# Allegro board zp-dic_pda_8ch_board_v001_166_20241018_1809.brd (continued)
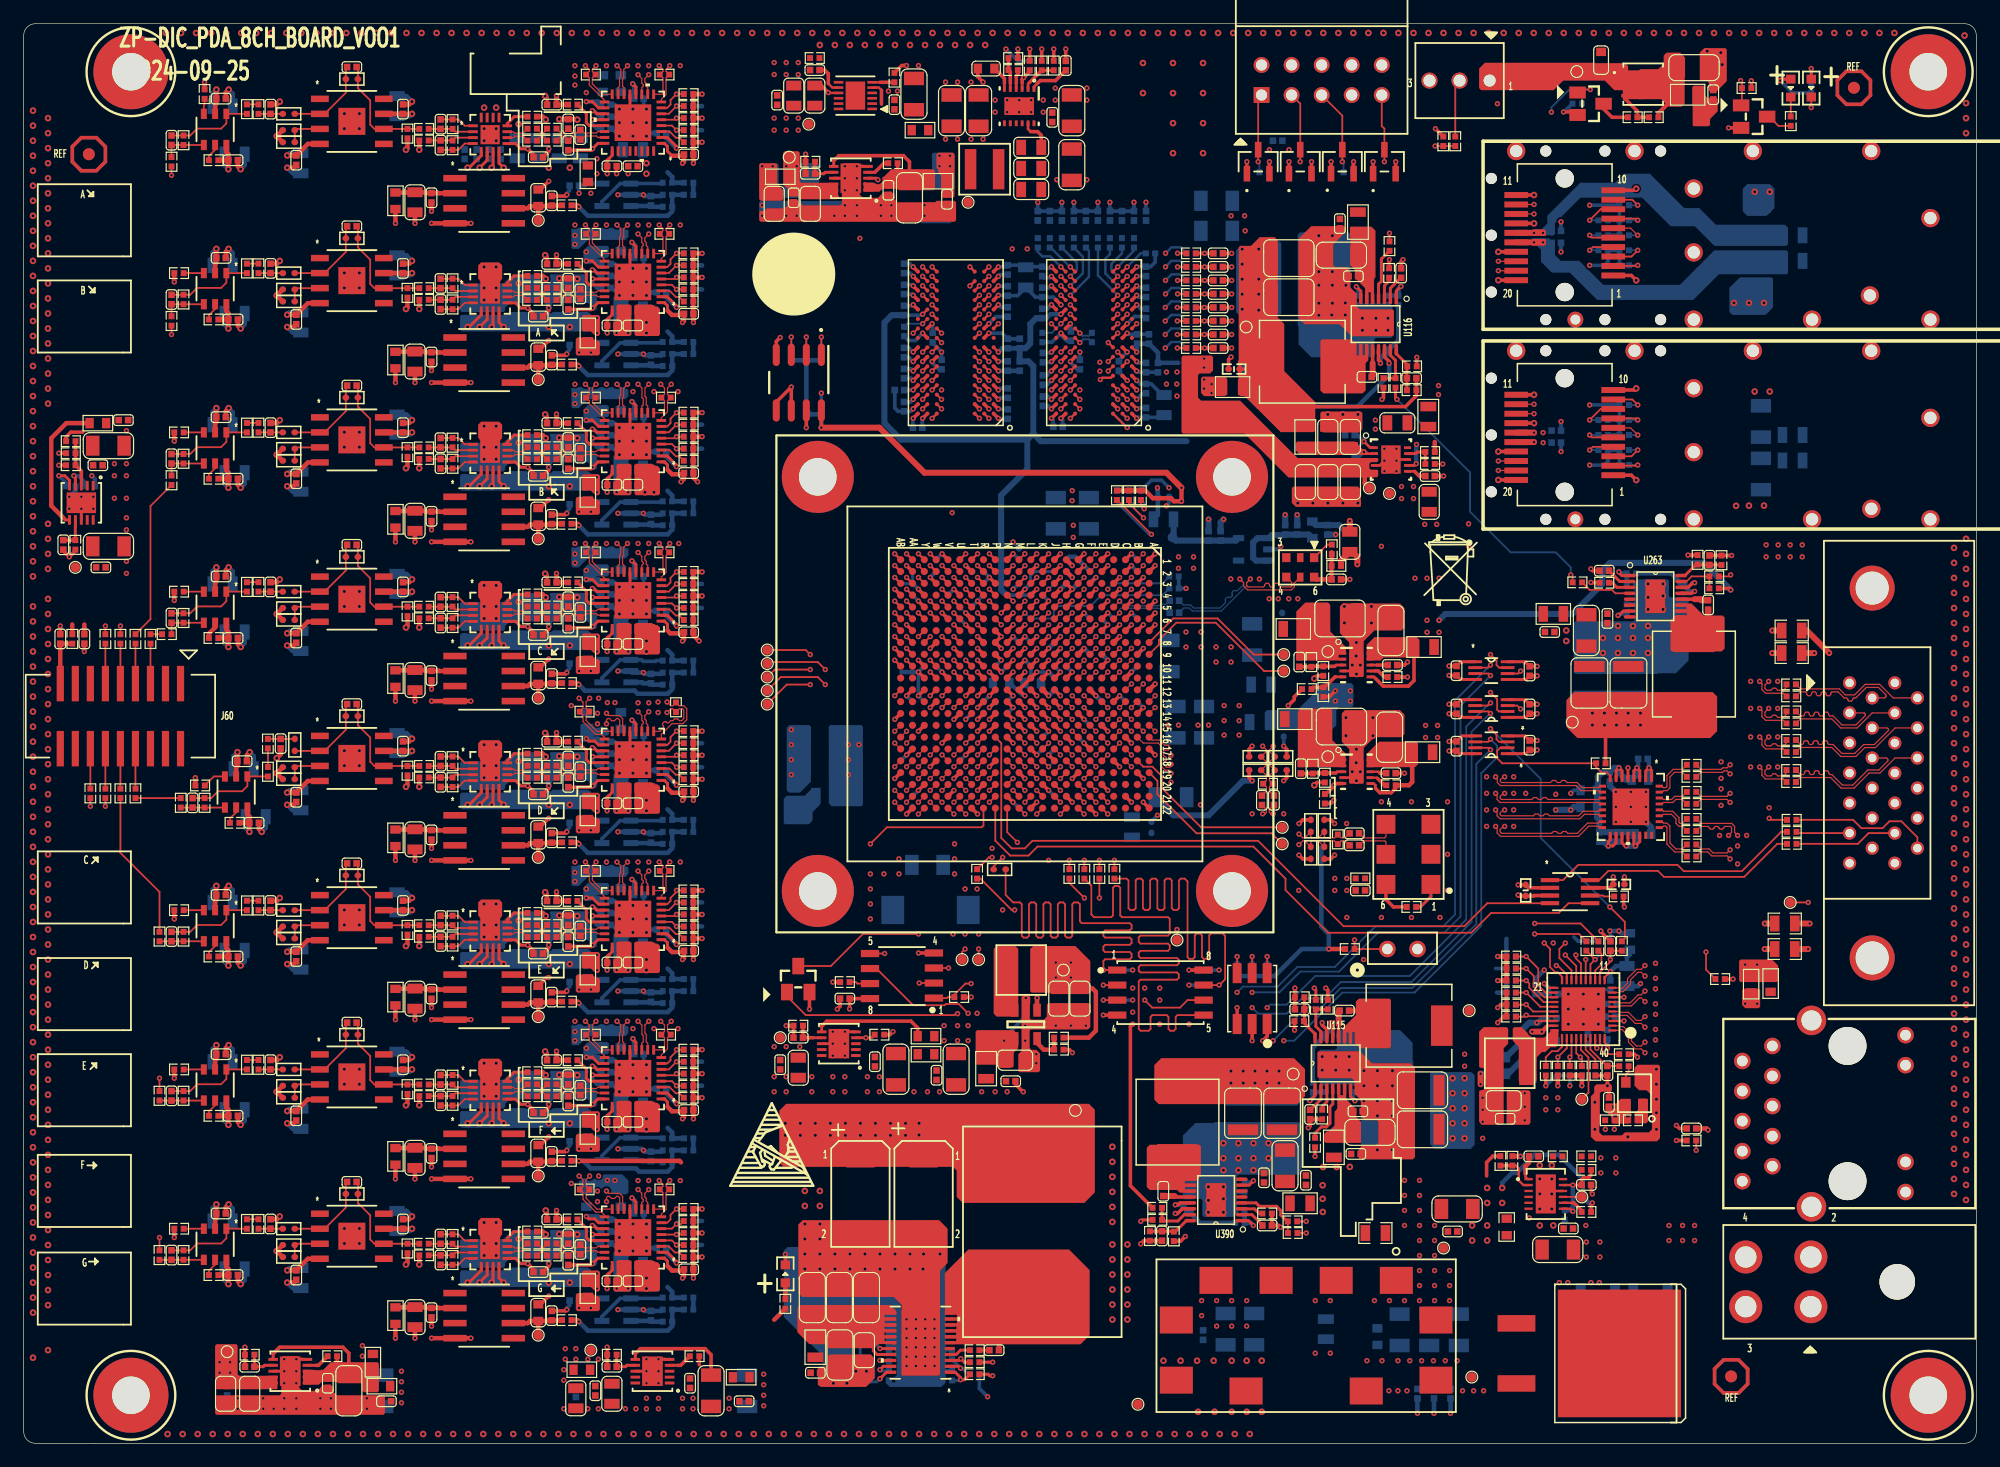
[diagram p0: board, top side]
## Routing (per net, layer and track width the routed paths; a pad name or vN(x,y) marks a point on that pad's centre or on a via; arc(x,y) is an arc through that point) (continued)
  ART03 w0.102: v1(144.19,49.4) 144.37,49.58 147.06,49.58 147.16,49.48 147.16,48.83 147.5,48.49 148.24,48.49 148.58,48.83 148.58,49.48 148.68,49.58 153.46,49.58 154.14,50.27 154.82,50.27 155.91,51.35 156.67,51.35 158.17,52.85 J75.23
RF_MOD_IN_VARIABLE_P: length 59.8
  TOP w0.102: U271.15 133.16,52.55 133.04,52.42 132.15,52.42 131.29,51.56 130.48,51.56 130.33,51.71 130.07,51.71 129.92,51.56 129.67,51.56 129.51,51.71 129.26,51.71 129.11,51.56 124.89,51.56 124.76,51.69 124.76,51.89 125.01,52.15 v1(125.14,52.15) ; U1.F9 v1(90.6,67.19)
  ART03 w0.102: v1(90.6,67.19) 90.9,67.19 91,67.09 91,66.86 91.27,66.59 95.15,66.59 95.26,66.49 96.19,66.49 97.45,67.74 105.49,67.74 107.64,65.59 107.64,62.16 107.98,61.82 108.96,61.82 109.3,62.16 109.3,62.87 109.4,62.97 109.81,62.97 109.91,62.87 109.91,62.16 110.25,61.82 114.31,61.82 114.96,61.17 114.96,57.06 116.92,55.09 118.12,55.09 121.99,51.22 124.55,51.22 124.96,51.64 124.96,51.97 v1(125.14,52.15)
RF_MOD_IN_VARIABLE_P_C: length 22.2
  TOP w0.102: R2219.2 141.72,50.24 142.41,50.24 142.74,49.91 143.94,49.91 v1(144.19,50.17)
  ART03 w0.102: v1(144.19,50.17) 144.37,49.99 145.36,49.99 145.46,50.09 145.46,50.17 145.56,50.27 145.77,50.27 145.87,50.17 145.87,50.09 145.97,49.99 146.17,49.99 146.27,50.09 146.27,50.17 146.38,50.27 146.58,50.27 146.68,50.17 146.68,50.09 146.78,49.99 147.22,49.99 147.56,49.65 147.56,49 147.67,48.9 148.07,48.9 148.17,49 148.17,49.65 148.51,49.99 150.56,49.99 150.66,50.09 150.66,50.17 150.76,50.27 150.97,50.27 151.07,50.17 151.07,50.09 151.17,49.99 151.37,49.99 151.47,50.09 151.47,50.17 151.58,50.27 151.78,50.27 151.88,50.17 151.88,50.09 151.98,49.99 152.19,49.99 152.29,50.09 152.29,50.17 152.39,50.27 152.59,50.27 152.69,50.17 152.69,50.09 152.79,49.99 153.29,49.99 153.97,50.67 154.66,50.67 155.74,51.76 156.5,51.76 157.35,52.6 157.35,52.75 157.25,52.85 J75.10
RF_SYNC_N: length 74.3
  TOP w0.102: R2226.2 148.96,59.22 148.69,58.95 148.22,58.95 148.04,59.13 147.81,59.13 147.64,58.95 147.29,58.95 147.14,59.11 147.14,59.39 v1(147.45,59.71) ; U1.F13 v1(89.61,63.19)
  ART08 w0.102: v1(147.45,59.71) 147.28,59.53 147.28,59.12 146.33,58.17 131.24,58.17 128.57,60.83 126.84,60.83 126.74,60.73 126.74,60.16 126.4,59.82 125.46,59.82 125.12,60.16 125.12,60.73 125.01,60.83 122.98,60.83 122.64,61.17 122.64,62.1 122.53,62.2 122.13,62.2 122.03,62.1 122.03,61.17 121.69,60.83 120,60.83 118.98,61.85 115.11,61.85 114.77,62.19 114.77,62.76 114.66,62.87 114.26,62.87 114.16,62.76 114.16,62.19 113.82,61.85 110.41,61.85 109.88,62.38 109.88,64.6 109.2,65.28 105.78,65.28 104.51,64.01 98.91,64.01 98.73,63.83 98.51,63.83 98.33,64.01 98.1,64.01 97.92,63.83 97.69,63.83 97.51,64.01 96.95,64.01 96.44,63.5 96.18,63.5 96.09,63.59 89.23,63.59 89.13,63.49 89.13,63.29 89.23,63.19 v1(89.61,63.19)
RF_SYNC_P: length 73.6
  TOP w0.102: R2225.2 148.7,58.7 147.19,58.7 146.88,59 146.88,59.5 146.89,59.51 v1(146.69,59.71) ; U1.G13 v1(88.61,63.19)
  ART08 w0.102: v1(88.61,63.19) 88.83,63.19 88.93,63.29 88.93,63.57 89.15,63.79 96.16,63.79 96.78,64.41 104.34,64.41 105.61,65.68 109.37,65.68 110.28,64.77 110.28,62.55 110.58,62.26 113.65,62.26 113.75,62.36 113.75,62.93 114.09,63.27 114.83,63.27 115.17,62.93 115.17,62.36 115.27,62.26 119.15,62.26 120.16,61.24 121.52,61.24 121.62,61.34 121.62,62.27 121.96,62.61 122.7,62.61 123.04,62.27 123.04,61.34 123.14,61.24 125.18,61.24 125.52,60.9 125.52,60.33 125.62,60.22 126.23,60.22 126.33,60.33 126.33,60.9 126.67,61.24 128.74,61.24 131.41,58.57 146.16,58.57 146.87,59.28 146.87,59.53 v1(146.69,59.71)
SFP_MGT_REFCLK_C_N: length 5.3
  TOP w0.102: U1.D5 v1(92.6,71.19)
  BOTTOM w0.102: C989.1 96.53,70.92 96.26,70.92 96.11,70.92 96.01,70.82 95.86,70.82 95.84,70.79 93,70.79 v1(92.6,71.19)
SFP_MGT_REFCLK_C_P: length 5.7
  TOP w0.102: U1.D6 v1(92.6,70.19)
  BOTTOM w0.102: v1(92.6,70.19) 92.6,70.49 92.71,70.59 95.84,70.59 95.86,70.57 96.15,70.57 96.26,70.67 96.67,70.66 96.84,70.49 C990.1
SFP_MGT_REFCLK_N: length 13.8
  TOP w0.102: v1(102.77,73.06) 103.08,72.74 103.08,72.48 103.42,72.14 107.11,72.14 107.36,72.39 107.36,72.71 U270.5
  BOTTOM w0.102: C989.2 98,70.87 98.6,70.87 98.85,70.61 101.1,70.61 101.55,71.07 101.55,71.21 101.54,71.22 101.54,71.37 101.68,71.51 101.82,71.51 101.84,71.5 101.98,71.5 102.12,71.64 102.12,71.78 102.11,71.8 102.11,71.94 102.26,72.08 102.4,72.08 102.41,72.07 102.56,72.07 103.08,72.6 103.08,72.74 v1(102.77,73.06)
SFP_MGT_REFCLK_P: length 13.8
  TOP w0.102: v1(103.65,73.06) 103.34,72.74 103.34,72.51 103.46,72.39 104.76,72.39 104.87,72.49 104.87,72.59 104.97,72.69 105.17,72.69 105.27,72.59 105.27,72.49 105.37,72.39 105.58,72.39 105.68,72.49 105.68,72.59 105.78,72.69 105.98,72.69 106.08,72.59 106.08,72.49 106.19,72.39 107.08,72.39 107.16,72.47 107.16,72.75 U270.4
  BOTTOM w0.102: C990.2 98.04,70.61 98.49,70.61 98.75,70.36 101.2,70.36 103.34,72.49 103.34,72.74 v1(103.65,73.06)
SFPGA_25M_OSC_ETH: length 4
  TOP w0.152: R858.2 134.8,31.9 C865.1 133.78,31.9 132.39,33.29 U93.37
SFPGA_ETH_LED0: length 3.4
  TOP w0.152: R2242.2 v1(129.63,32.64) 130.39,33.4 U93.32
  BOTTOM w0.152: R2242.2 v1(129.63,32.64)
SFPGA_ETH_LED1: length 25
  TOP w0.152: R835.1 142.16,40.03 v1(142.16,41.53) ; R2244.2 v1(130.65,32.64) 130.79,32.78 U93.33
  ART03 w0.102: v1(130.65,32.64) 131.16,33.15 132.3,33.15 132.68,32.77 134.67,32.77 135.73,33.83 135.73,40.18 137.08,41.53 v1(142.16,41.53)
  BOTTOM w0.152: R2244.2 v1(130.65,32.64)
SFPGA_ETH_LED2: length 40.7
  TOP w0.152: R2245.2 131.67,32.51 v1(131.54,32.64) 131.19,32.98 U93.34
  ART03 w0.102: v1(131.54,32.64) 132.05,32.64 132.61,32.08 134.92,32.08 135.25,31.75 136.95,31.75 137.59,31.12 138.35,31.12 140.51,28.96 140.51,23.5 143.18,20.83 147.75,20.83 151.43,24.51 158.29,24.51 J6.12
  BOTTOM w0.152: v1(131.54,32.64) 131.67,32.51 R2245.2
SFPGA_ETH_RESET_B: length 24.9
  TOP w0.152: R853.2 135.3,42.69 135.3,44.07 v1(134.03,45.34) ; v1(123.95,60.4) 124.46,59.9 124.46,59.52 124.68,59.3 U286.3
  BOTTOM w0.152: v1(134.03,45.34) 128.19,51.18 128.19,56.16 v1(123.95,60.4)
SFPGA_ETH_RST#_1V8: length 72.8
  TOP w0.152: v1(123.95,59.52) 123.95,59.5 123.74,59.3 U286.6 ; U1.M22 v1(84.6,53.19)
  ART08 w0.102: v1(84.6,53.19) 84.4,52.99 84.4,47.47 86.97,44.91 90.87,44.91 100.22,35.56 104.95,35.56 v1(106.47,34.04)
  BOTTOM w0.152: v1(106.47,34.04) 107.36,34.04 111.43,38.1 117.52,38.1 123.16,43.74 123.16,56.64 124.51,57.99 124.51,58.96 v1(123.95,59.52)
SFPGA_ETH_TD_M_A: length 21.6
  TOP w0.102: U93.2 134.8,35.3 134.87,35.23 135.17,35.23 135.86,34.54 135.86,34.01 136.28,33.59 136.68,33.59 v1(137,33.91)
  ART08 w0.102: J6.3 146.23,24.2 146.27,24.06 146.21,23.94 145.89,23.62 145,23.62 144.88,23.75 144.7,23.75 144.58,23.63 144.44,23.63 143.94,24.13 143.94,24.75 144.08,24.89 144.08,25.15 143.94,25.3 143.94,25.56 144.08,25.7 144.08,25.97 143.94,26.11 143.94,27.13 144.07,27.26 144.07,27.53 143.94,27.66 143.94,28.01 138.28,33.67 137.24,33.67 v1(137,33.91)
SFPGA_ETH_TD_M_B: length 24.2
  TOP w0.102: U93.5 134.8,36.5 134.87,36.43 135.6,36.43 136.28,35.75 136.68,35.75 v1(137,36.07)
  ART03 w0.102: v1(137,36.07) 137.24,35.83 138.34,35.83 139.01,35.15 139.01,34.52 139.22,34.31 139.22,33.83 138.8,33.41 138.8,33.27 138.95,33.13 139.09,33.13 139.51,33.54 139.99,33.54 140.52,33.01 140.52,32.53 139.9,31.9 139.9,31.76 140.05,31.62 140.19,31.62 140.81,32.24 141.29,32.24 141.93,31.6 141.93,31.12 141.53,30.72 141.53,30.58 141.67,30.43 141.82,30.43 142.22,30.83 142.7,30.83 143.53,30 143.68,30 143.69,30.01 143.83,30.01 143.97,29.86 143.97,29.72 143.96,29.71 143.96,29.57 144.83,28.7 145.78,28.7 146.32,28.16 146.56,28.16 146.68,28.24 146.71,28.38 145.86,29.65 J6.7
SFPGA_ETH_TD_M_C: length 21.1
  TOP w0.102: v1(137,38.23) 136.68,37.91 136.43,37.91 135.75,37.23 134.87,37.23 134.8,37.3 U93.7
  ART08 w0.102: v1(137,38.23) 137.24,37.99 139.79,37.99 144.09,33.68 144.09,31.72 144.54,31.27 146,31.27 146.71,30.56 146.71,29.03 146.57,28.9 146.57,28.18 146.63,28.06 146.77,28.01 J6.6
SFPGA_ETH_TD_M_D: length 23.3
  TOP w0.102: U93.10 134.8,38.5 134.87,38.43 135.04,38.43 135.53,38.91 135.53,39.29 136.3,40.07 136.68,40.07 v1(137,40.39)
  ART03 w0.102: v1(137,40.39) 137.24,40.14 138.26,40.14 138.37,40.25 138.37,40.26 138.47,40.36 138.67,40.36 138.77,40.26 138.77,40.25 138.87,40.14 139.23,40.14 139.33,40.04 139.54,40.04 139.73,39.86 139.73,39.65 141.14,38.23 141.14,38.06 141.25,37.96 141.58,37.96 141.92,37.62 141.92,36.87 141.58,36.53 141.25,36.53 141.14,36.43 141.14,36.03 141.25,35.92 141.58,35.92 141.92,35.59 141.92,34.84 141.58,34.5 141.25,34.5 141.14,34.4 141.14,34.16 144.04,31.27 144.24,31.27 144.44,31.46 144.66,31.46 144.85,31.27 145.92,31.27 146.21,31.56 146.27,31.68 146.23,31.82 J6.9
SFPGA_ETH_TD_P_A: length 21.6
  TOP w0.102: v1(137,33.02) 136.68,33.34 136.17,33.34 135.6,33.91 135.6,34.44 135.07,34.98 134.87,34.98 134.8,34.9 U93.1
  ART08 w0.102: J6.2 146.77,23.93 146.63,23.88 146.54,23.69 146.06,23.22 144.28,23.22 143.53,23.96 143.53,27.84 138.11,33.26 137.24,33.26 v1(137,33.02)
SFPGA_ETH_TD_P_B: length 24.3
  TOP w0.102: v1(137,35.18) 136.68,35.5 136.17,35.5 135.49,36.18 134.87,36.18 134.8,36.1 U93.4
  ART03 w0.102: J6.4 147.9,26.6 147.05,27.87 146.91,27.9 146.69,27.75 146.16,27.75 145.61,28.3 144.66,28.3 142.53,30.42 142.39,30.42 141.99,30.02 141.51,30.02 141.12,30.41 141.12,30.89 141.52,31.29 141.52,31.43 141.12,31.83 140.98,31.83 140.36,31.21 139.88,31.21 139.5,31.59 139.5,32.07 140.12,32.69 140.12,32.84 139.82,33.13 139.68,33.13 139.26,32.72 138.78,32.72 138.4,33.1 138.4,33.58 138.81,34 138.81,34.14 138.6,34.35 138.6,34.99 138.17,35.42 137.24,35.42 v1(137,35.18)
SFPGA_ETH_TD_P_C: length 21
  TOP w0.102: v1(137,37.34) 136.68,37.66 136.53,37.66 135.85,36.98 134.87,36.98 134.8,36.9 U93.6
  ART08 w0.102: J6.5 146.23,27.74 146.27,27.87 146.24,27.94 146.16,28.02 146.16,28.48 145.99,28.66 145.99,28.89 146.3,29.2 146.3,30.39 145.83,30.86 144.37,30.86 143.68,31.55 143.68,31.91 143.51,32.09 143.51,32.32 143.68,32.49 143.68,32.72 143.51,32.9 143.51,33.13 143.68,33.31 143.68,33.51 139.62,37.58 137.24,37.58 v1(137,37.34)
SFPGA_ETH_TD_P_D: length 23.3
  TOP w0.102: U93.9 134.8,38.1 134.87,38.18 135.15,38.18 135.78,38.81 135.78,39.19 136.41,39.81 136.68,39.81 v1(137,39.5)
  ART03 w0.102: J6.8 146.77,31.55 146.63,31.5 146.54,31.31 146.09,30.86 143.87,30.86 140.74,33.99 140.74,34.57 141.08,34.91 141.42,34.91 141.52,35.01 141.52,35.42 141.42,35.52 141.08,35.52 140.74,35.86 140.74,36.6 141.08,36.94 141.42,36.94 141.52,37.04 141.52,37.45 141.42,37.55 141.08,37.55 140.74,37.89 140.74,38.06 139.06,39.74 137.24,39.74 v1(137,39.5)
SFPGA_RGMII_MDC: length 50.1
  TOP w0.152: R854.2 131.56,43.94 v1(127.68,43.94) ; U1.G20 v1(89.6,55.19)
  ART08 w0.102: v1(89.6,55.19) 89.86,55.19 90.37,55.7 91.86,55.7 92.58,54.98 92.58,54.53 94.53,52.58 101.27,52.58 108.94,44.91 125.75,44.91 126.71,43.94 v1(127.68,43.94)
SFPGA_RGMII_MDIO: length 47.4
  TOP w0.152: R855.2 131.43,43.05 v1(127.68,43.05) ; U1.F20 v1(90.6,55.19)
  ART08 w0.102: v1(127.68,43.05) 127.55,43.18 125.88,43.18 125.12,43.94 109.39,43.94 101.09,52.25 94.31,52.25 91.94,54.61 91.19,54.61 v1(90.6,55.19)
SFPGA_RGMII_RX_CLK: length 58.8
  TOP w0.152: U93.27 127.06,36.1 v1(126.97,36.2) 126.84,36.07 R2229.2 ; U1.L19 v1(85.6,56.19)
  ART08 w0.102: v1(85.6,56.19) 85.6,56.05 86,55.65 86,54.73 86.28,54.45 86.28,52.86 86.1,52.68 86.1,48.82 87.3,47.63 92.38,47.63 99.44,40.56 101.06,40.56 102.71,38.91 121.59,38.91 124.3,36.2 v1(126.97,36.2)
  BOTTOM w0.152: R2229.2 126.84,36.07 v1(126.97,36.2)
SFPGA_RGMII_RX_CTL: length 57.2
  TOP w0.152: R2231.2 v1(126.97,37.08) 127.55,36.5 U93.26 ; U1.J21 v1(87.6,54.19)
  ART08 w0.102: v1(87.6,54.19) 87.6,53.8 87.21,53.41 87.21,51.14 87.58,50.77 87.58,48.84 87.91,48.51 93.72,48.51 99.15,43.08 99.15,42.94 98.81,42.6 98.81,42.46 98.96,42.31 99.1,42.31 99.44,42.65 99.59,42.65 99.73,42.51 99.73,42.36 99.39,42.02 99.39,41.88 99.53,41.74 99.68,41.74 100.02,42.08 100.16,42.08 102.92,39.32 122.02,39.32 123.92,37.41 126.64,37.41 v1(126.97,37.08)
  BOTTOM w0.152: R2231.2 v1(126.97,37.08)
SFPGA_RGMII_RXD0: length 56.4
  TOP w0.152: R2236.2 v1(126.97,38.1) 128.16,36.9 U93.25 ; U1.H22 v1(87.61,53.19)
  ART08 w0.102: v1(87.61,53.19) 87.61,51.2 87.93,50.88 87.93,49.03 88.13,48.82 94.08,48.82 103.3,39.6 103.92,39.6 104.02,39.7 104.02,40.36 104.12,40.46 104.32,40.46 104.42,40.36 104.42,39.7 104.53,39.6 104.73,39.6 104.83,39.7 104.83,40.36 104.93,40.46 105.14,40.46 105.24,40.36 105.24,39.7 105.34,39.6 122.25,39.6 124.05,37.8 126.66,37.8 v1(126.97,38.1)
  BOTTOM w0.152: R2236.2 v1(126.97,38.1)
SFPGA_RGMII_RXD1: length 53.3
  TOP w0.152: U93.24 128.43,37.3 127.22,38.51 127.22,38.86 v1(126.97,39.12) R2235.2 ; U1.G22 v1(89.6,53.19)
  ART08 w0.102: v1(126.97,39.12) 126.46,38.61 124,38.61 122.73,39.88 107.59,39.88 107.49,39.98 107.49,40.59 107.39,40.69 107.18,40.69 107.08,40.59 107.08,39.98 106.98,39.88 106.78,39.88 106.68,39.98 106.68,40.59 106.57,40.69 106.37,40.69 106.27,40.59 106.27,39.98 106.17,39.88 105.89,39.88 105.74,40.03 105.74,41.48 105.53,41.68 101.75,41.68 94.26,49.17 93.12,49.17 89.6,52.68 v1(89.6,53.19)
  BOTTOM w0.152: R2235.2 v1(126.97,39.12)
SFPGA_RGMII_RXD2: length 53.8
  TOP w0.152: R2240.2 v1(126.97,40.13) 127.6,39.5 127.6,38.61 128.51,37.7 U93.23 ; U1.G21 v1(89.6,54.19)
  ART08 w0.102: v1(89.6,54.19) 89.6,53.83 90.09,53.34 90.09,52.7 93.27,49.53 94.41,49.53 101.9,42.04 102.5,42.04 102.61,42.14 102.61,42.88 102.71,42.98 102.91,42.98 103.01,42.88 103.01,42.14 103.11,42.04 103.32,42.04 103.42,42.14 103.42,42.88 103.52,42.98 103.72,42.98 103.82,42.88 103.82,42.14 103.93,42.04 106.88,42.04 108.76,40.16 123.47,40.16 124,39.62 126.46,39.62 v1(126.97,40.13)
  BOTTOM w0.152: R2240.2 v1(126.97,40.13)
SFPGA_RGMII_RXD3: length 53.4
  TOP w0.152: U1.F21 v1(90.6,54.19) ; U93.22 128.59,38.1 127.98,38.71 127.98,40.13 v1(126.97,41.15) R2230.2
  ART08 w0.102: v1(126.97,41.15) 126.79,41.15 126.28,40.64 122.47,40.64 122.27,40.44 109.44,40.44 106.47,43.41 105.66,43.41 105.55,43.31 105.55,42.57 105.45,42.47 105.25,42.47 105.15,42.57 105.15,43.31 105.05,43.41 104.84,43.41 104.74,43.31 104.74,42.57 104.64,42.47 104.44,42.47 104.34,42.57 104.34,43.31 104.23,43.41 101.01,43.41 94.53,49.89 93.42,49.89 91.11,52.2 91.11,53.69 v1(90.6,54.19)
  BOTTOM w0.152: R2230.2 v1(126.97,41.15)
SFPGA_RGMII_TX_CLK: length 55.2
  TOP w0.152: U1.J20 v1(87.6,55.19) ; v1(128.49,42.29) 128.98,41.8 128.98,40.26 129.41,39.83 129.61,39.83 129.99,39.45 U93.20
  ART08 w0.102: v1(87.6,55.19) 87.21,55.59 87.21,56.3 87.21,56.3 87.21,56.36 87.54,56.69 87.85,56.69 88,56.84 88,57.14 88.44,57.59 91.05,57.59 93.85,54.79 95.04,54.79 96.82,53.01 101.47,53.01 106.6,47.88 107.62,47.88 110.16,45.34 127.17,45.34 128.49,44.02 v1(128.49,42.29)
SFPGA_RGMII_TX_CTL: length 50.3
  TOP w0.152: U93.19 130.39,39.63 129.63,40.39 v1(129.51,40.39) ; U1.E22 v1(91.6,53.19)
  ART08 w0.102: v1(91.6,53.19) 93.67,51.13 95.74,51.13 95.85,51.03 95.85,50.52 95.95,50.42 96.15,50.42 96.25,50.52 96.25,51.03 96.35,51.13 96.56,51.13 96.66,51.03 96.66,50.52 96.76,50.42 96.96,50.42 97.06,50.52 97.06,51.03 97.17,51.13 97.37,51.13 97.47,51.03 97.47,50.52 97.57,50.42 97.78,50.42 97.88,50.52 97.88,51.03 97.98,51.13 98.18,51.13 98.28,51.03 98.28,50.52 98.39,50.42 98.59,50.42 98.69,50.52 98.69,51.03 98.79,51.13 101.19,51.13 109.01,43.31 124.63,43.31 125.73,42.21 127.12,42.21 128.06,41.28 128.62,41.28 v1(129.51,40.39)
SFPGA_RGMII_TXD0: length 59.6
  TOP w0.152: U1.L18 v1(85.6,57.19) ; U93.18 130.79,39.99 129.76,41.02 129.76,41.79 v1(130.27,42.29)
  ART08 w0.102: v1(130.27,42.29) 130.27,44.02 126.41,47.88 125.93,47.88 120.29,53.52 108.17,53.52 106.73,52.07 103.55,52.07 101.06,54.56 97,54.56 95.02,56.54 95.02,57.43 93.86,58.59 86.32,58.59 86.15,58.42 86.15,57.74 v1(85.6,57.19)
SFPGA_RGMII_TXD1: length 58.8
  TOP w0.152: U1.K19 v1(86.6,56.19) ; v1(130.27,41.28) 131.19,40.35 U93.17
  ART08 w0.102: v1(86.6,56.19) 86.6,56.59 87.17,57.15 87.17,57.53 87.43,57.8 91.35,57.8 93.98,55.17 95.32,55.17 97.05,53.44 101.67,53.44 106.73,48.39 107.69,48.39 108.06,48.02 108.2,48.02 108.5,48.32 108.64,48.32 108.79,48.18 108.79,48.04 108.49,47.74 108.49,47.59 108.63,47.45 108.77,47.45 109.07,47.75 109.22,47.75 109.36,47.61 109.36,47.46 109.06,47.16 109.06,47.02 109.21,46.87 109.35,46.87 109.65,47.17 109.79,47.17 109.94,47.03 109.94,46.89 109.64,46.59 109.64,46.44 110.23,45.85 127.33,45.85 129.71,43.46 129.71,41.83 v1(130.27,41.28)
SFPGA_RGMII_TXD2: length 58.9
  TOP w0.152: U1.K17 v1(86.6,59.19) ; v1(131.16,41.28) 131.16,41 131.59,40.56 U93.16
  ART08 w0.102: v1(86.6,59.19) 87,58.8 94.29,58.8 95.39,57.7 95.39,56.81 96.95,55.25 98.03,55.25 98.13,55.14 98.13,55.09 98.23,54.99 98.43,54.99 98.53,55.09 98.53,55.14 98.64,55.25 98.84,55.25 98.94,55.14 98.94,55.09 99.04,54.99 99.25,54.99 99.35,55.09 99.35,55.14 99.45,55.25 99.65,55.25 99.75,55.14 99.75,55.09 99.86,54.99 100.06,54.99 100.16,55.09 100.16,55.14 100.26,55.25 100.88,55.25 103.68,52.45 106.6,52.45 107.95,53.8 120.47,53.8 125.88,48.39 126.54,48.39 131.16,43.77 v1(131.16,41.28)
SFPGA_RGMII_TXD3: length 52.8
  TOP w0.152: U1.E21 v1(91.6,54.19) ; U93.15 v1(131.99,40.89)
  ART08 w0.102: v1(131.99,40.89) 131.92,40.82 130.04,40.82 129.08,41.78 128.06,41.78 127.25,42.6 125.9,42.6 124.84,43.66 109.17,43.66 100.91,51.92 99.4,51.92 99.3,51.82 99.3,51.54 99.2,51.44 99,51.44 98.9,51.54 98.9,51.82 98.79,51.92 98.59,51.92 98.49,51.82 98.49,51.54 98.39,51.44 98.18,51.44 98.08,51.54 98.08,51.82 97.98,51.92 97.78,51.92 97.68,51.82 97.68,51.54 97.58,51.44 97.37,51.44 97.27,51.54 97.27,51.82 97.17,51.92 96.97,51.92 96.86,51.82 96.86,51.54 96.76,51.44 96.56,51.44 96.46,51.54 96.46,51.82 96.36,51.92 96.15,51.92 96.05,51.82 96.05,51.54 95.95,51.44 95.75,51.44 95.64,51.54 95.64,51.82 95.54,51.92 95.34,51.92 95.24,51.82 95.24,51.54 95.14,51.44 94.93,51.44 94.83,51.54 94.83,51.82 94.73,51.92 93.88,51.92 v1(91.6,54.19)
SYS_CLK_CON_N: length 58.8
  TOP w0.102: v1(104.69,53.21) 104.9,53.21 105,53.31 105,53.59 C939.1
  ART08 w0.102: J75.5 155.31,59.2 155.41,59.1 155.41,59.01 154.5,58.1 150.6,58.1 148.28,55.78 147.71,55.78 144.89,52.96 142.16,52.96 141.14,51.94 129.21,51.94 128.06,53.09 122.67,53.09 120.41,55.35 113.46,55.35 113.31,55.19 109.91,55.19 109.61,54.89 105.54,54.89 104.94,54.28 104.94,53.45 v1(104.69,53.21)
SYS_CLK_CON_P: length 59.9
  TOP w0.102: v1(105.58,53.21) 105.38,53.21 105.26,53.34 105.26,53.56 C940.1
  ART08 w0.102: J75.18 156.17,59.2 154.67,57.69 150.77,57.69 148.45,55.37 147.87,55.37 145.06,52.55 142.33,52.55 141.31,51.54 129.04,51.54 127.89,52.68 122.5,52.68 120.24,54.94 113.63,54.94 113.47,54.79 110.08,54.79 109.77,54.48 105.71,54.48 105.34,54.11 105.34,53.45 v1(105.58,53.21)
TIMING_SPI_CLK_N: length 61.6
  TOP w0.102: U271.10 133.16,55.05 133.04,55.17 131.59,55.17 131.16,55.6 124.77,55.6 124.52,55.85 124.52,56.19 v1(124.38,56.34) ; U1.E12 v1(91.6,63.19)
  ART08 w0.102: v1(124.38,56.34) 124.56,56.16 124.56,56 124.41,55.85 123.26,55.85 123.11,56.01 123.11,57.4 122.73,57.79 122.54,57.79 122.43,57.89 122.43,57.94 122.33,58.04 122.13,58.04 122.03,57.94 122.03,57.89 121.93,57.79 121.72,57.79 121.62,57.89 121.62,57.94 121.52,58.04 121.32,58.04 121.21,57.94 121.21,57.89 121.11,57.79 120.91,57.79 120.81,57.89 120.81,57.94 120.71,58.04 120.5,58.04 120.4,57.94 120.4,57.89 120.3,57.79 119.94,57.79 119.84,57.89 119.84,58.77 119.5,59.11 118.75,59.11 118.41,58.77 118.41,57.89 118.31,57.79 117.72,57.79 117.57,57.93 117.57,60.04 117.23,60.38 116.21,60.38 115.87,60.04 115.87,58.39 115.77,58.29 115.36,58.29 115.26,58.39 115.26,60.37 114.92,60.71 113.74,60.71 113.64,60.81 113.64,60.88 113.54,60.99 113.33,60.99 113.23,60.88 113.23,60.81 113.13,60.71 112.93,60.71 112.83,60.81 112.83,60.88 112.72,60.99 112.52,60.99 112.42,60.88 112.42,60.81 112.32,60.71 111.01,60.71 110.91,60.81 110.91,60.83 110.81,60.93 110.6,60.93 110.5,60.83 110.5,60.81 110.4,60.71 109.54,60.71 109.27,60.98 109.27,63.44 108.42,64.29 105.67,64.29 104.75,63.37 100.82,63.37 99.24,61.8 98.8,61.8 98.69,61.9 98.69,61.95 98.59,62.05 98.39,62.05 98.29,61.95 98.29,61.9 98.19,61.8 97.98,61.8 97.88,61.9 97.88,61.95 97.78,62.05 97.58,62.05 97.47,61.95 97.47,61.9 97.37,61.8 97.17,61.8 97.07,61.9 97.07,61.95 96.97,62.05 96.76,62.05 96.66,61.95 96.66,61.9 96.56,61.8 96.21,61.8 96.11,61.7 95.43,61.7 95.21,61.92 95.21,62.54 94.95,62.79 91.71,62.79 91.6,62.9 v1(91.6,63.19)
TIMING_SPI_CLK_N_C: length 22.7
  TOP w0.102: v1(144.19,56.59) 143.94,56.85 143.68,56.85 143.56,56.72 141.72,56.72 R2214.2
  ART03 w0.102: v1(144.19,56.59) 144.04,56.74 142.75,56.74 142.39,57.11 142.39,58.08 142.88,58.57 150.58,58.57 151.23,57.93 153.69,57.93 153.69,57.94 154.57,57.94 155.18,57.68 155.82,57.05 157.17,57.05 J75.20
TIMING_SPI_CLK_P: length 59.8
  TOP w0.102: U271.9 133.17,55.55 133.04,55.42 131.69,55.42 131.26,55.85 130.41,55.85 130.24,56.03 130.01,56.03 129.83,55.85 129.6,55.85 129.42,56.03 129.2,56.03 129.02,55.85 124.88,55.85 124.78,55.96 124.78,56.1 125.01,56.34 v1(125.14,56.34) ; U1.E13 v1(91.6,62.19)
  ART08 w0.102: v1(91.6,62.19) 91.6,62.49 91.71,62.59 94.87,62.59 95,62.45 95,61.84 95.35,61.49 96.02,61.49 96.12,61.39 99.41,61.39 100.99,62.97 104.92,62.97 105.84,63.88 108.25,63.88 108.86,63.27 108.86,60.81 109.37,60.3 114.75,60.3 114.85,60.2 114.85,58.23 115.19,57.89 115.94,57.89 116.28,58.23 116.28,59.87 116.38,59.97 117.06,59.97 117.17,59.87 117.17,57.76 117.55,57.38 118.48,57.38 118.82,57.72 118.82,58.6 118.92,58.7 119.33,58.7 119.43,58.6 119.43,57.72 119.77,57.38 122.56,57.38 122.7,57.24 122.7,55.84 123.09,55.45 124.58,55.45 124.97,55.83 124.97,56.16 v1(125.14,56.34)
TIMING_SPI_CLK_P_C: length 22.7
  TOP w0.102: v1(144.19,57.35) 143.94,57.1 143.58,57.1 143.45,56.97 141.72,56.97 R2213.2
  ART03 w0.102: J75.7 154.99,56.66 155.25,56.91 155.25,57.04 154.95,57.34 154.49,57.53 153.86,57.53 153.75,57.42 153.75,57.4 153.65,57.3 153.45,57.3 153.35,57.4 153.35,57.42 153.25,57.52 153.04,57.52 152.94,57.42 152.94,57.4 152.84,57.3 152.64,57.3 152.53,57.4 152.53,57.42 152.43,57.52 152.23,57.52 152.13,57.42 152.13,57.4 152.03,57.3 151.82,57.3 151.72,57.4 151.72,57.42 151.62,57.52 151.06,57.52 150.41,58.17 150.13,58.17 150.03,58.06 150.03,57.91 149.92,57.81 149.72,57.81 149.62,57.91 149.62,58.06 149.52,58.17 149.31,58.17 149.21,58.06 149.21,57.91 149.11,57.81 148.91,57.81 148.81,57.91 148.81,58.06 148.71,58.17 148.5,58.17 148.4,58.06 148.4,57.91 148.3,57.81 148.1,57.81 147.99,57.91 147.99,58.06 147.89,58.17 146.81,58.17 146.71,58.06 146.71,57.96 146.6,57.86 146.4,57.86 146.3,57.96 146.3,58.06 146.2,58.17 145.99,58.17 145.89,58.06 145.89,57.96 145.79,57.86 145.59,57.86 145.49,57.96 145.49,58.06 145.38,58.17 145.18,58.17 145.08,58.06 145.08,57.96 144.98,57.86 144.78,57.86 144.67,57.96 144.67,58.06 144.57,58.17 143.05,58.17 142.79,57.91 142.79,57.28 142.92,57.15 143.99,57.15 v1(144.19,57.35)
TIMING_SPI_CSN_N: length 71.6
  TOP w0.102: v1(147.45,62.12) 147.14,61.81 147.14,61.52 147.29,61.37 147.64,61.37 147.81,61.54 148.04,61.54 148.22,61.37 148.69,61.37 148.96,61.64 R2224.2 ; U1.H13 v1(88.6,62.19)
  ART08 w0.102: v1(147.45,62.12) 147.28,61.94 147.28,61.61 146.12,60.45 145.66,60.45 144.39,59.18 132.51,59.18 127.71,63.98 123.41,63.98 122.92,63.5 116.67,63.5 116.03,64.14 112.19,64.14 109.9,66.42 105.33,66.42 104.01,65.1 96.71,65.1 96.14,64.53 95.82,64.53 95.75,64.59 88.79,64.59 88.21,64 88.21,62 88.31,61.9 88.5,61.9 88.6,62 v1(88.6,62.19)
TIMING_SPI_CSN_P: length 72.2
  TOP w0.102: U1.H14 v1(88.6,61.19) ; v1(146.69,62.12) 146.89,61.92 146.88,61.91 146.88,61.42 147.19,61.11 148.7,61.11 R2223.2
  ART08 w0.102: v1(146.69,62.12) 146.87,61.94 146.87,61.77 146.58,61.49 146.44,61.49 146.43,61.5 146.28,61.5 146.14,61.36 146.14,61.21 146.15,61.2 146.15,61.06 145.95,60.86 145.49,60.86 145.18,60.55 145.04,60.55 145.03,60.56 144.89,60.56 144.74,60.42 144.74,60.27 144.75,60.27 144.75,60.12 144.22,59.59 132.68,59.59 127.88,64.39 123.24,64.39 122.75,63.91 116.84,63.91 116.2,64.54 112.36,64.54 110.07,66.83 105.16,66.83 103.84,65.51 96.54,65.51 95.97,64.93 95.82,64.93 95.68,64.8 88.71,64.8 88,64.09 88,61.92 88.23,61.69 88.5,61.69 88.6,61.59 v1(88.6,61.19)
TIMING_SPI_MISO_N: length 73.8
  TOP w0.102: v1(147.45,57.17) 147.14,56.85 147.14,56.57 147.29,56.41 147.64,56.41 147.81,56.59 148.04,56.59 148.22,56.41 148.69,56.41 148.96,56.68 R2228.2 ; U1.F10 v1(90.6,66.19)
  ART08 w0.102: v1(147.45,57.17) 147.3,57.32 147.3,57.47 149.14,59.31 149.14,62.61 148.38,63.37 145.9,63.37 143.36,60.83 139.18,60.83 136.83,63.19 arc(131.55,66.71) 125.34,67.95 118.16,67.95 arc(117.69,68.04) 117.29,68.31 117.29,68.31 arc(116.82,68.62) 116.26,68.73 105.61,68.73 103.76,66.88 96.39,66.88 95.41,65.9 95.05,65.9 94.95,65.79 91,65.79 v1(90.6,66.19)
TIMING_SPI_MISO_P: length 74.6
  TOP w0.102: v1(146.69,57.17) 146.89,56.97 146.88,56.96 146.88,56.46 147.19,56.16 148.7,56.16 R2227.2 ; U1.F11 v1(90.6,65.19)
  ART08 w0.102: v1(90.6,65.19) 90.6,65.49 90.71,65.59 94.86,65.59 94.97,65.49 95.57,65.49 96.56,66.47 103.92,66.47 105.78,68.33 116.26,68.33 arc(116.66,68.25) 117,68.02 arc(117.53,67.66) 118.16,67.54 125.34,67.54 arc(131.4,66.33) 136.54,62.9 139.01,60.43 143.53,60.43 146.07,62.97 148.21,62.97 148.74,62.44 148.74,61.71 148.64,61.61 148.41,61.61 148.31,61.51 148.31,61.3 148.41,61.2 148.64,61.2 148.74,61.1 148.74,60.9 148.64,60.79 148.41,60.79 148.31,60.69 148.31,60.49 148.41,60.39 148.64,60.39 148.74,60.29 148.74,59.48 146.89,57.63 146.89,57.37 v1(146.69,57.17)
